# Altium PCB STEVAL-ESLBLECB.PcbDoc (part 1 of 2) (continued)
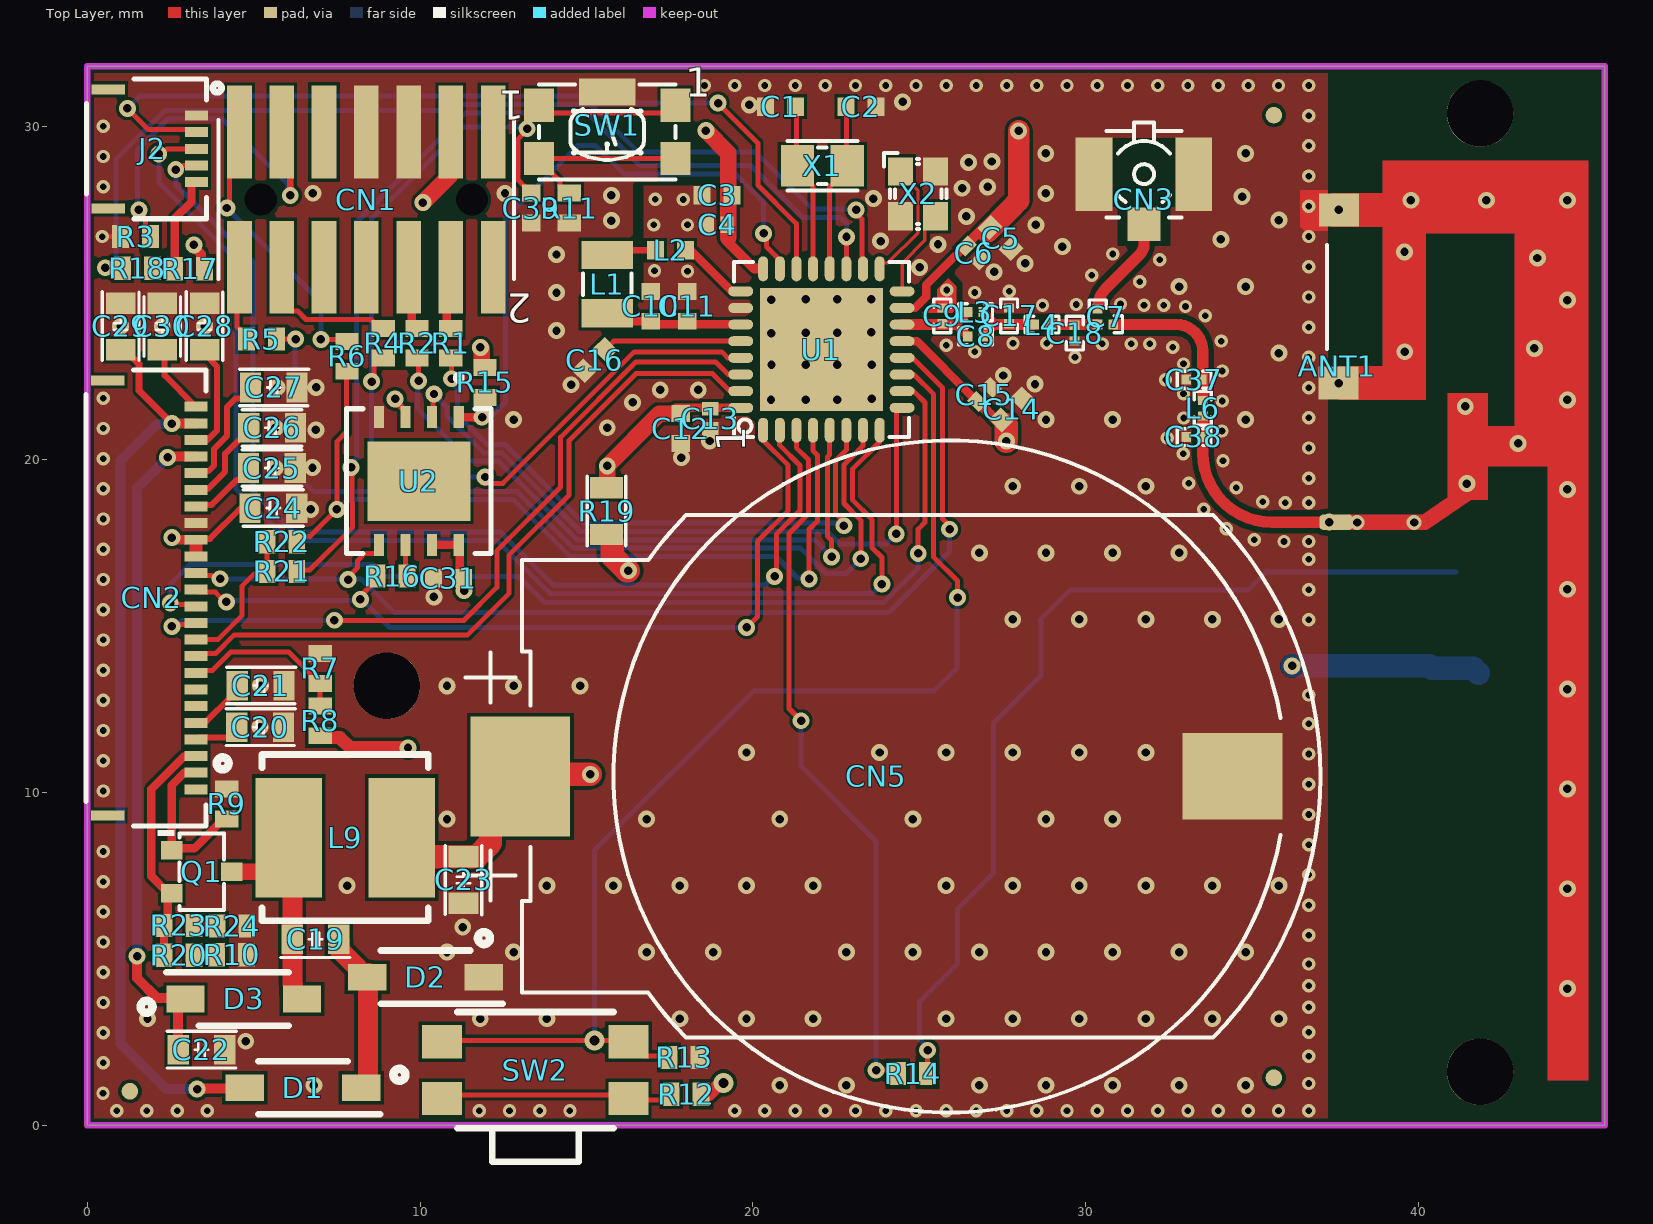
[diagram p0: Top Layer view]
## Part data
C1 C2: library part MCD-00015, "Capacitor, MLCC, 10pF, 50V, NPO, +/-5%, 0402, T=0.5mm", Manufacturer=YAGEO, Manufacturer Part Number=CC0402JRNPO9BN100, Package=0402, Component_Country_Of_Origin=China, ComponentLink1URL=http://tunmcdsvn.tun.st.com/Component_Documentation_Library/Trunk/Capacitor/YAGEO_NP0_Series, ID=2465, Internal_Part_Number=MCD-00015, Manufacturer_Part_Number=CC0402JRNPO9BN100, Order_Code_Digikey=311-1014-1-ND, Order_Code_Farnell=3019160RL, Order_Code_RS=3019160RL, Part_Preference=Recommended, Part_Type=Capacitor, ShowFields=YES, Status=Released
C3 C10: library part MCD-03431, "Capacitor, MLCC, 4.7uF, X5R, 10V, +/-20%, 0402, T=0.5mm", Manufacturer=MURATA, Manufacturer Part Number=GRM155R61A475MEAAD, Package=0402, Component_Country_Of_Origin="China, Japan, Philippines, Singapore", ComponentLink1URL=http://tunmcdsvn.tun.st.com/Component_Documentation_Library/Trunk/Capacitor/MURATA_GRM_Series/GRM155R61A475MEAAD, ID=5547, Internal_Part_Number=MCD-03431, Manufacturer_Part_Number=GRM155R61A475MEAAD, Order_Code_Digikey=90-14306-2-ND, Order_Code_Farnell=2688503RL, Order_Code_RS=172-6870, Part_Preference=Recommended, Part_Type=Capacitor, ShowFields=YES, Status=Checked
C4: library part MCD-01535, "Capacitor, MLCC,100nF, 10V, X5R, +/-10%, 0201, T=0.3mm", Manufacturer=MURATA, Manufacturer Part Number=GRM033R61A104KE15, Package=0201, Component_Country_Of_Origin=Japan, ComponentLink1URL=http://tunmcdsvn.tun.st.com/Component_Documentation_Library/Trunk/Capacitor/MURATA_GRM_Series, ID=3635, Internal_Part_Number=MCD-01535, Manufacturer_Part_Number=GRM033R61A104KE15, Order_Code_Digikey=490-5881-1-ND, Order_Code_Farnell=2470450, Order_Code_RS=790-2742, Part_Preference=Recommended, Part_Type=Capacitor, ShowFields=YES, Status=Released
C5 C12 C14: library part MCD-03432, "Capacitor, MLCC, 1uF, X7R, 6.3V,+/- 10%, 0402, T=0.5mm", Manufacturer=MURATA, Manufacturer Part Number=GRM155R70J105KA12, Package=0402, Component_Country_Of_Origin="China, Japan, Philippines, Singapore", ComponentLink1URL=http://tunmcdsvn.tun.st.com/Component_Documentation_Library/Trunk/Capacitor/MURATA_GRM_Series/GRM155R70J105KA12, ID=5548, Internal_Part_Number=MCD-03432, Manufacturer_Part_Number=GRM155R70J105KA12, Order_Code_Digikey=NA, Order_Code_Farnell=NA, Order_Code_RS=113-8711, Part_Preference=Recommended, Part_Type=Capacitor, ShowFields=YES, Status=Checked
C6 C13 C15: library part MCD-02284, "Cap Ceramic 6.8pF 25V C0G 0.25pF SMD 0201 125°C Paper T/R", Manufacturer=Murata, Manufacturer Part Number=GJM0335C1E6R8CB01D, Supplier Part Number 1=490-3076-1-ND, Category="Ceramic Capacitors", ComponentLink1URL=http://tunmcdsvn.tun.st.com/Component_Documentation_Library/Trunk/Capacitor/MURATA_GRM_Series, ComponentLink2Description=https://datasheet.ciiva.com/11611/product-11611316.pdf?src-supplier=Avnet, ComponentLink2URL=https://datasheet.ciiva.com/11611/product-11611316.pdf?src-supplier=Avnet, ComponentLink3Description=https://datasheet.ciiva.com/133/partnumbering-e-01-133417.pdf?src-supplier=Digi-Key, ComponentLink3URL=https://datasheet.ciiva.com/133/partnumbering-e-01-133417.pdf?src-supplier=Digi-Key, ComponentLink4Description=https://datasheet.ciiva.com/133/partnumbering-e-01-133418.pdf?src-supplier=Digi-Key, ComponentLink4URL=https://datasheet.ciiva.com/133/partnumbering-e-01-133418.pdf?src-supplier=Digi-Key, ComponentLink5Description=https://datasheet.ciiva.com/133/partnumbering-e-01-133419.pdf?src-supplier=Digi-Key, ComponentLink5URL=https://datasheet.ciiva.com/133/partnumbering-e-01-133419.pdf?src-supplier=Digi-Key, ComponentLink6Description=https://datasheet.ciiva.com/11611/product-11611254.pdf?src-supplier=Avnet, ComponentLink6URL=https://datasheet.ciiva.com/11611/product-11611254.pdf?src-supplier=Avnet, Pricing 1="1=0.1, 10=0.033, 50=0.0188, 100=0.0146, 500=0.01096, 1000=0.00861, 2500=0.00783, 5000=0.0072 (USD)", RoHS=Yes, Stock 1=9238, Supplier 1=Digi-Key
C7: library part C_0201_DEV, "Cap Ceramic 20pF 25V C0G 2% Pad SMD 0201 125C T/R", Manufacturer=Murata, Manufacturer Part Number=GJM0335C1E200GB01D, Supplier Part Number 1=490-GJM0335C1E200GB01DCT-ND, Category="Ceramic Capacitors", ComponentLink1Description=http://www.mouser.com/ds/2/281/c02e-2905.pdf?src-supplier=Mouser, ComponentLink1URL=http://www.mouser.com/ds/2/281/c02e-2905.pdf?src-supplier=Mouser, ComponentLink6Description=https://datasheet.ciiva.com/28386/pyu-rc0402-51-rohs-l-6-28386633.pdf?src-supplier=Avnet+Europe, ComponentLink6URL=https://datasheet.ciiva.com/28386/pyu-rc0402-51-rohs-l-6-28386633.pdf?src-supplier=Avnet+Europe, ComponentLink9Description=https://datasheet.ciiva.com/15189/getdatasheetpartid-326379-15189533.pdf?src-supplier=Verical, ComponentLink9URL=https://datasheet.ciiva.com/15189/getdatasheetpartid-326379-15189533.pdf?src-supplier=Verical, ComponentLink10Description=https://datasheet.ciiva.com/7983/1018594-7983535.pdf?src-supplier=Element14, ComponentLink10URL=https://datasheet.ciiva.com/7983/1018594-7983535.pdf?src-supplier=Element14, ComponentLink11Description=https://datasheet.ciiva.com/2560/pyu-r-int-thick-7-2560866.pdf?src-supplier=Digi-Key, ComponentLink11URL=https://datasheet.ciiva.com/2560/pyu-r-int-thick-7-2560866.pdf?src-supplier=Digi-Key, ComponentLink12Description=https://datasheet.ciiva.com/2560/pyu-r-int-thick-7-2560867.pdf?src-supplier=Digi-Key, ComponentLink12URL=https://datasheet.ciiva.com/2560/pyu-r-int-thick-7-2560867.pdf?src-supplier=Digi-Key, ComponentLink13Description=https://datasheet.ciiva.com/2560/pyu-r-int-thick-7-2560865.pdf?src-supplier=Digi-Key, ComponentLink13URL=https://datasheet.ciiva.com/2560/pyu-r-int-thick-7-2560865.pdf?src-supplier=Digi-Key, ComponentLink14Description=https://datasheet.ciiva.com/8887/pyu-rc0201-51-rohs-l-8-8887865.pdf?src-supplier=Avnet, ComponentLink14URL=https://datasheet.ciiva.com/8887/pyu-rc0201-51-rohs-l-8-8887865.pdf?src-supplier=Avnet, Pricing 1="1=0.1, 10=0.063, 50=0.0378, 100=0.0297, 500=0.02192, 1000=0.01815, 2500=0.0169, 5000=0.01546 (USD)", RoHS=Yes, Stock 1=21920, Supplier 1=Digi-Key
C8: library part MCD-02284_2, "0201 0.3 pF 25 V ±0.05 pF Tolerance C0G SMT Multilayer Ceramic Capacitor", Manufacturer=Murata, Manufacturer Part Number=GJM0335C1ER30WB01D, Supplier Part Number 1=490-8073-1-ND, Category="Ceramic Capacitors", ComponentLink1URL=http://tunmcdsvn.tun.st.com/Component_Documentation_Library/Trunk/Capacitor/MURATA_GRM_Series, ComponentLink2Description=https://datasheet.ciiva.com/11617/product-11617172.pdf?src-supplier=Avnet, ComponentLink2URL=https://datasheet.ciiva.com/11617/product-11617172.pdf?src-supplier=Avnet, ComponentLink3Description=https://datasheet.ciiva.com/29541/partnumbering-e-01-29541903.pdf?src-supplier=Digi-Key, ComponentLink3URL=https://datasheet.ciiva.com/29541/partnumbering-e-01-29541903.pdf?src-supplier=Digi-Key, ComponentLink4Description=https://datasheet.ciiva.com/29541/partnumbering-e-01-29541902.pdf?src-supplier=Digi-Key, ComponentLink4URL=https://datasheet.ciiva.com/29541/partnumbering-e-01-29541902.pdf?src-supplier=Digi-Key, ComponentLink5Description=https://datasheet.ciiva.com/11617/product-11617570.pdf?src-supplier=Avnet, ComponentLink5URL=https://datasheet.ciiva.com/11617/product-11617570.pdf?src-supplier=Avnet, ComponentLink6Description=https://datasheet.ciiva.com/170/gjm0335c1er30wb01-170840.pdf?src-supplier=Digi-Key, ComponentLink6URL=https://datasheet.ciiva.com/170/gjm0335c1er30wb01-170840.pdf?src-supplier=Digi-Key, ComponentLink7Description=https://datasheet.ciiva.com/29541/partnumbering-e-01-29541493.pdf?src-supplier=Digi-Key, ComponentLink7URL=https://datasheet.ciiva.com/29541/partnumbering-e-01-29541493.pdf?src-supplier=Digi-Key, ComponentLink8Description=https://datasheet.ciiva.com/29541/partnumbering-e-01-29541494.pdf?src-supplier=Digi-Key, ComponentLink8URL=https://datasheet.ciiva.com/29541/partnumbering-e-01-29541494.pdf?src-supplier=Digi-Key, ComponentLink9Description=https://datasheet.ciiva.com/29541/partnumbering-e-01-29541495.pdf?src-supplier=Digi-Key, ComponentLink9URL=https://datasheet.ciiva.com/29541/partnumbering-e-01-29541495.pdf?src-supplier=Digi-Key, ComponentLink10Description=https://datasheet.ciiva.com/16467/product-16467435.pdf?src-supplier=Future+Electronics, ComponentLink10URL=https://datasheet.ciiva.com/16467/product-16467435.pdf?src-supplier=Future+Electronics, Pricing 1="1=0.14, 10=0.094, 50=0.0562, 100=0.0442, 500=0.03266, 1000=0.02703, 2500=0.02516, 5000=0.02302 (USD)", RoHS=Yes, Stock 1=344905, Supplier 1=Digi-Key
C9 C18 C38: library part MCD-02284_1, "Multilayer Ceramic Capacitor, 0.8 pF, 25 V, ± 0.05pF, C0G (NP0), 0201 [0603 Metric]", Manufacturer=Murata, Manufacturer Part Number=GJM0335C1ER80WB01D, Temperature Coefficient=30ppm/°C, Category="Ceramic Capacitors", ComponentLink1URL=http://tunmcdsvn.tun.st.com/Component_Documentation_Library/Trunk/Capacitor/MURATA_GRM_Series, ComponentLink2Description=https://datasheet.ciiva.com/11616/product-11616837.pdf?src-supplier=Avnet, ComponentLink2URL=https://datasheet.ciiva.com/11616/product-11616837.pdf?src-supplier=Avnet, ComponentLink3Description=https://datasheet.ciiva.com/170/partnumbering-e-01-170845.pdf?src-supplier=Digi-Key, ComponentLink3URL=https://datasheet.ciiva.com/170/partnumbering-e-01-170845.pdf?src-supplier=Digi-Key, Material=4241ConductorMaterial, Pricing 1="1=0.072, 10=0.0302, 25=0.0296, 100=0.0178, 250=0.0176, 500=0.0175, 1000=0.0173, 3000=0.0172, 6000=0.0171, 15000=0.0169 (USD)", RoHS=Yes, Stock 1=23495, Supplier 1="Arrow Electronics", Supplier Part Number 1=GJM0335C1ER80WB01D
C11: library part MCD-03442, "Capacitor, MLCC, 100nF, +/-10%, X7R, 25V, 0402, T=0.5mm", Manufacturer=MURATA, Manufacturer Part Number=GRM155R71E104KE14D, Package=0402, Component_Country_Of_Origin="China, Japan, Philippines, Singapore", ComponentLink1URL=http://tunmcdsvn.tun.st.com/Component_Documentation_Library/Trunk/Capacitor/MURATA_GRM_Series/GRM155R71E104KE14, ID=5558, Internal_Part_Number=MCD-03442, Manufacturer_Part_Number=GRM155R71E104KE14D, Order_Code_Digikey=490-10698-2-ND, Order_Code_Farnell=NA, Order_Code_RS=NA, Part_Preference=Recommended, Part_Type=Capacitor, ShowFields=YES, Status=Checked
C16: library part MCD-03483, "Capacitor, MLCC, 0.22uF, X5R, 6.3V, +/-10%, 0402, T=0.5mm", Manufacturer=YAGEO, Manufacturer Part Number=CC0402KRX5R5BB224, Package=0402, Component_Country_Of_Origin=China, ComponentLink1URL=http://tunmcdsvn.tun.st.com/Component_Documentation_Library/Trunk/Capacitor/YAGEO_X5R_Series, ID=5599, Internal_Part_Number=MCD-03483, Manufacturer_Part_Number=CC0402KRX5R5BB224, Order_Code_Digikey=311-1681-2-ND, Order_Code_Farnell=3369131, Order_Code_RS=3369131, Part_Preference=Recommended, Part_Type=Capacitor, ShowFields=YES, Status=Checked
C17 C37: library part MCD-02284_3, "Multilayer Ceramic Capacitor, 1.5 pF, 25 V, ± 0.1pF, C0G (NP0), 0201 [0603 Metric]", Case Code (Imperial)=0201, Case Code (Metric)=0603, Dielectric=C0G, Manufacturer=Murata, Manufacturer Part Number=GJM0335C1E1R5BB01D, Max Operating Temperature=125°C, Min Operating Temperature=-55°C, Package Quantity=15000, Supplier Part Number 1=490-11175-1-ND, Voltage Rating=25V, Case/Package=0201, Category="Ceramic Capacitors", ComponentLink1URL=http://tunmcdsvn.tun.st.com/Component_Documentation_Library/Trunk/Capacitor/MURATA_GRM_Series, ComponentLink2Description=https://datasheet.ciiva.com/11616/product-11616837.pdf?src-supplier=Avnet, ComponentLink2URL=https://datasheet.ciiva.com/11616/product-11616837.pdf?src-supplier=Avnet, ComponentLink3Description=https://datasheet.ciiva.com/170/partnumbering-e-01-170845.pdf?src-supplier=Digi-Key, ComponentLink3URL=https://datasheet.ciiva.com/170/partnumbering-e-01-170845.pdf?src-supplier=Digi-Key, ComponentLink4Description=https://datasheet.ciiva.com/11615/product-11615773.pdf?src-supplier=Avnet, ComponentLink4URL=https://datasheet.ciiva.com/11615/product-11615773.pdf?src-supplier=Avnet, ComponentLink5Description=https://datasheet.ciiva.com/18183/getdatasheetpartid-480423-18183785.pdf?src-supplier=Verical, ComponentLink5URL=https://datasheet.ciiva.com/18183/getdatasheetpartid-480423-18183785.pdf?src-supplier=Verical, Construction=Flat, Depth=0.3mm, Height=0.3mm, Lead Free="Lead Free", Length=0.6mm, Mounting Technology="Surface Mount", Packaging="Tape and Reel", Pricing 1="1=0.1, 10=0.069, 50=0.0376, 100=0.0308, 500=0.02198, 1000=0.01727, 2500=0.0157, 5000=0.01444 (USD)", Radiation Hardening=No, RoHS=Yes, RoHS Compliant=Yes, Series=GJM, Stock 1=1582621, Supplier 1=Digi-Key, Termination=SMD/SMT, Thickness=0.013inch, Voltage Rating (DC)=25V, Width=0.012inch
C19 C20 C21 C22 C23 C27 C28 C29: library part MCD-02196, "CAP CER 4.7UF 25V X6S 0603", Manufacturer=Murata, Manufacturer Part Number=GRM188C81E475KE11D, Supplier Part Number 1=490-7199-1-ND, Voltage=25V, Category="Ceramic Capacitors", ComponentLink1URL=http://tunmcdsvn.tun.st.com/Component_Documentation_Library/Trunk/Capacitor/TDK_C_Series, ComponentLink2Description=https://datasheet.ciiva.com/14906/partnumbering-e-01-14906423.pdf?src-supplier=Digi-Key, ComponentLink2URL=https://datasheet.ciiva.com/14906/partnumbering-e-01-14906423.pdf?src-supplier=Digi-Key, ComponentLink3Description=https://datasheet.ciiva.com/14906/partnumbering-e-01-14906424.pdf?src-supplier=Digi-Key, ComponentLink3URL=https://datasheet.ciiva.com/14906/partnumbering-e-01-14906424.pdf?src-supplier=Digi-Key, ComponentLink4Description=https://datasheet.ciiva.com/14906/partnumbering-e-01-14906425.pdf?src-supplier=Digi-Key, ComponentLink4URL=https://datasheet.ciiva.com/14906/partnumbering-e-01-14906425.pdf?src-supplier=Digi-Key, Pricing 1="1=0.27, 10=0.175, 50=0.1104, 100=0.0884, 500=0.06382, 1000=0.05645 (USD)", RoHS=Yes, Stock 1=947554, Supplier 1=Digi-Key
C24 C25 C26 C30: library part MCD-01703, "Multilayer Ceramic Capacitor, 1 uF, 50 V, ± 10%, X5R, 0603 [1608 Metric]", Case Code (Imperial)=0603, Case Code (Metric)=1608, Dielectric=X5R, Manufacturer=Murata, Manufacturer Part Number=GRT188R61H105KE13D, Max Operating Temperature=85°C, Min Operating Temperature=-55°C, Ratings=AEC-Q200, Supplier Part Number 1=490-12330-1-ND, Tolerance=10%, Voltage Rating=50V, Case/Package=0603, Category="Ceramic Capacitors", ComponentLink1URL=http://tunmcdsvn.tun.st.com/Component_Documentation_Library/Trunk/Capacitor/YAGEO_X5R_Series, ComponentLink2Description=http://www.farnell.com/datasheets/2165959.pdf?src-supplier=Farnell, ComponentLink2URL=http://www.farnell.com/datasheets/2165959.pdf?src-supplier=Farnell, ComponentLink3Description=http://search.murata.co.jp/Ceramy/image/img/A01X/G101/ENG/GRT188R61H105KE13-01.pdf?src-supplier=Digi-Key, ComponentLink3URL=http://search.murata.co.jp/Ceramy/image/img/A01X/G101/ENG/GRT188R61H105KE13-01.pdf?src-supplier=Digi-Key, ComponentLink4Description=http://www.farnell.com/datasheets/2165959.pdf?src-supplier=Newark, ComponentLink4URL=http://www.farnell.com/datasheets/2165959.pdf?src-supplier=Newark, ComponentLink5Description=https://datasheet.octopart.com/GRT188R61H105KE13D-Murata-datasheet-67697751.pdf?src-supplier=Newark, ComponentLink5URL=https://datasheet.octopart.com/GRT188R61H105KE13D-Murata-datasheet-67697751.pdf?src-supplier=Newark, ComponentLink6Description=https://search.murata.co.jp/Ceramy/image/img/A01X/G101/ENG/GRT188R61H105KE13-01.pdf?src-supplier=Digi-Key, ComponentLink6URL=https://search.murata.co.jp/Ceramy/image/img/A01X/G101/ENG/GRT188R61H105KE13-01.pdf?src-supplier=Digi-Key, ComponentLink7Description=https://datasheet.octopart.com/GRT188R61H105KE13D-Murata-datasheet-165579666.pdf?src-supplier=TME, ComponentLink7URL=https://datasheet.octopart.com/GRT188R61H105KE13D-Murata-datasheet-165579666.pdf?src-supplier=TME, Length=0.063inch, Mounting Technology="Surface Mount", Packaging="Cut Tape", Pricing 1="1=0.17, 10=0.117, 50=0.07, 100=0.0551, 500=0.04066, 1000=0.03366 (USD)", RoHS=Yes, RoHS Compliant=Yes, Series=GRT, Stock 1=422240, Supplier 1=Digi-Key, Thickness=0.035inch, Voltage Rating (DC)=50V, Width=0.031inch
C31: library part MCD-02774, "Multilayer Ceramic Capacitors MLCC - SMD/SMT 0402 0.10uF 25volt X5R +/-10%", Case Code (Imperial)=0402, Case Code (Metric)=1005, Dielectric=X5R, Manufacturer=Murata, Manufacturer Part Number=GRM155R61E104KA87D, Max Operating Temperature=85°C, Min Operating Temperature=-55°C, Package Quantity=10000, Supplier Part Number 1=490-5920-1-ND, Tolerance=10%, Voltage Rating (DC)=25V, Case/Package=0402, Category="Ceramic Capacitors", ComponentLink1URL=http://tunmcdsvn.tun.st.com/Component_Documentation_Library/Trunk/Capacitor/TDK_CGA_Series, ComponentLink2Description=https://datasheet.ciiva.com/11618/product-11618757.pdf?src-supplier=Avnet, ComponentLink2URL=https://datasheet.ciiva.com/11618/product-11618757.pdf?src-supplier=Avnet, ComponentLink3Description=https://datasheet.ciiva.com/29199/454084-da-01-en-vs-kondensator-0402-29199796.pdf?src-supplier=Conrad, ComponentLink3URL=https://datasheet.ciiva.com/29199/454084-da-01-en-vs-kondensator-0402-29199796.pdf?src-supplier=Conrad, ComponentLink4Description=https://datasheet.ciiva.com/6270/partnumbering-e-01-6270936.pdf?src-supplier=Digi-Key, ComponentLink4URL=https://datasheet.ciiva.com/6270/partnumbering-e-01-6270936.pdf?src-supplier=Digi-Key, ComponentLink5Description=https://datasheet.ciiva.com/6270/partnumbering-e-01-6270934.pdf?src-supplier=Digi-Key, ComponentLink5URL=https://datasheet.ciiva.com/6270/partnumbering-e-01-6270934.pdf?src-supplier=Digi-Key, ComponentLink6Description=https://datasheet.ciiva.com/6270/partnumbering-e-01-6270938.pdf?src-supplier=Digi-Key, ComponentLink6URL=https://datasheet.ciiva.com/6270/partnumbering-e-01-6270938.pdf?src-supplier=Digi-Key, ComponentLink7Description=https://datasheet.ciiva.com/16467/product-16467303.pdf?src-supplier=Future+Electronics, ComponentLink7URL=https://datasheet.ciiva.com/16467/product-16467303.pdf?src-supplier=Future+Electronics, Height=0.5mm, Lead Free=5697LeadFree, Length=1mm, Packaging="Cut Tape", Pricing 1="1=0.1, 10=0.047, 50=0.0272, 100=0.0211, 500=0.0159, 1000=0.0125, 2500=0.01136, 5000=0.01045 (USD)", RoHS=Yes, RoHS Compliant=Yes, Series=GRM, Stock 1=4700358, Supplier 1=Digi-Key, Termination=Standard, Weight=0.000388oz, Width=0.5mm
C39: library part MCD-00011, "Capacitor, MLCC, 10nF, 16V, X7R, +/-10%, 0402, T=0.5mm", Manufacturer=YAGEO, Manufacturer Part Number=CC0402KRX7R7BB103, Package=0402, Component_Country_Of_Origin=China, ComponentLink1URL=http://tunmcdsvn.tun.st.com/Component_Documentation_Library/Trunk/Capacitor/YAGEO_X7R_Series, ID=2469, Internal_Part_Number=MCD-00011, Manufacturer_Part_Number=CC0402KRX7R7BB103, Order_Code_Digikey=311-1042-1-ND, Order_Code_Farnell=3019275, Order_Code_RS=3019275, Part_Preference=Recommended, Part_Type=Capacitor, ShowFields=YES, Status=Released
CN1: library part MCD-00639, "Header, 7x2, 1.27mm, VR, SMD, T=5.97mm", Manufacturer=SAMTEC, Manufacturer Part Number=FTSH-107-01-L-DV-K, Component_Country_Of_Origin="China, Costa Rica, Malaysia, United States, Vietnam", ComponentLink1URL=http://tunmcdsvn.tun.st.com/Component_Documentation_Library/Trunk/Connector/SAMTEC_FTSH_Series/, ID=3107, Internal_Part_Number=MCD-00639, Manufacturer_Part_Number=FTSH-107-01-L-DV-K, Order_Code_Digikey=SAM9449-ND, Order_Code_Farnell=2856443, Order_Code_RS=179-8765, Part_Preference=Recommended, Part_Type=Connector, ShowFields=YES, Status=Released
CN2: "Conn, Ffc/fpc, R/a, 24Pos, 1Row, 0.5Mm Rohs Compliant: Yes", Manufacturer=Molex, Manufacturer Part Number=503480-2400, Supplier Part Number 1=WM27000CT-ND, Category="FFC / FPC", Pricing 1="1=2.12, 10=1.806, 100=1.492, 1000=1.17791 (USD)", RoHS=No, Stock 1=23010, Supplier 1=Digi-Key
CN3: library part MCD-01583, "Connector_RF, 0Hz to 6GHz, 50R, VR, SMD, T= 1.25mm", Manufacturer=HIROSE, BMS_Part_Number=9187005, Component_Country_Of_Origin="Japan, Malaysia", ComponentLink1URL=http://tunmcdsvn.tun.st.com/Component_Documentation_Library/Trunk/Connector/HIROSE_U.FL_Series/, ID=3683, Internal_Part_Number=MCD-01583, Manufacturer Part Number=U.FL-R-SMT-1, Manufacturer_Part_Number=U.FL-R-SMT-1, Order_Code_Digikey=N/A, Order_Code_Farnell=1688077, Order_Code_RS=557-981, Part_Preference=Recommended, Part_Type=Connector, ShowFields=YES, Status=Released
CN5: library part MCD-02936, "CR2032 compact battery holder", Manufacturer=HARWIN, Manufacturer Part Number=S8421-45R, Component_Country_Of_Origin=Taiwan, ComponentLink1URL=http://tunmcdsvn.tun.st.com/Component_Documentation_Library/Trunk/Connector/HARWIN_S8421-45R, ID=5052, Internal_Part_Number=MCD-02936, Manufacturer_Part_Number=S8421-45R, Order_Code_Digikey=952-1737-2-ND, Order_Code_Farnell=3517387, Order_Code_RS=N/A, Part_Preference=Recommended, Part_Type=Connector, ShowFields=YES, Status=Checked
D1 D2 D3: "Diode, Schottky Barrier, Vr 30V, If 0.5A, Pkg SOD-123, Vf 0.43V, Tj +125degc, Cs 5.5A", Manufacturer="ON Semiconductor / Fairchild", Manufacturer Part Number=MBR0530T1G, Category="Schottky Diodes", ComponentLink1Description=https://datasheet.ciiva.com/5763/85890-5763210.pdf?src-supplier=Farnell, ComponentLink1URL=https://datasheet.ciiva.com/5763/85890-5763210.pdf?src-supplier=Farnell, ComponentLink2Description=https://datasheet.ciiva.com/14168/sz600926-e-14168053.pdf?src-supplier=Distrelec, ComponentLink2URL=https://datasheet.ciiva.com/14168/sz600926-e-14168053.pdf?src-supplier=Distrelec, ComponentLink3Description=https://datasheet.ciiva.com/22659/1708258-22659024.pdf?src-supplier=Element14, ComponentLink3URL=https://datasheet.ciiva.com/22659/1708258-22659024.pdf?src-supplier=Element14, ComponentLink4Description=https://datasheet.ciiva.com/8299/mbr0530t1-d-8299686.pdf?src-supplier=Avnet, ComponentLink4URL=https://datasheet.ciiva.com/8299/mbr0530t1-d-8299686.pdf?src-supplier=Avnet, ComponentLink5Description=https://datasheet.ciiva.com/8300/mbr0530t1-d-8300038.pdf?src-supplier=Avnet, ComponentLink5URL=https://datasheet.ciiva.com/8300/mbr0530t1-d-8300038.pdf?src-supplier=Avnet, ComponentLink6Description=https://datasheet.ciiva.com/915/mbr0530t1-d-915467.pdf?src-supplier=Digi-Key, ComponentLink6URL=https://datasheet.ciiva.com/915/mbr0530t1-d-915467.pdf?src-supplier=Digi-Key, ComponentLink7Description=https://datasheet.ciiva.com/915/mbr0530t1-d-915468.pdf?src-supplier=Digi-Key, ComponentLink7URL=https://datasheet.ciiva.com/915/mbr0530t1-d-915468.pdf?src-supplier=Digi-Key, ComponentLink8Description=https://datasheet.ciiva.com/915/mbr0530t1-d-915469.pdf?src-supplier=Digi-Key, ComponentLink8URL=https://datasheet.ciiva.com/915/mbr0530t1-d-915469.pdf?src-supplier=Digi-Key, ComponentLink9Description=https://datasheet.ciiva.com/14560/70099496-14560951.pdf?src-supplier=Allied+Electronics, ComponentLink9URL=https://datasheet.ciiva.com/14560/70099496-14560951.pdf?src-supplier=Allied+Electronics, ComponentLink10Description=https://datasheet.ciiva.com/7962/85890-7962700.pdf?src-supplier=Element14, ComponentLink10URL=https://datasheet.ciiva.com/7962/85890-7962700.pdf?src-supplier=Element14, ComponentLink11Description=https://datasheet.ciiva.com/7962/85890-7962701.pdf?src-supplier=Element14, ComponentLink11URL=https://datasheet.ciiva.com/7962/85890-7962701.pdf?src-supplier=Element14, ComponentLink12Description=https://datasheet.ciiva.com/7962/85890-7962702.pdf?src-supplier=Element14, ComponentLink12URL=https://datasheet.ciiva.com/7962/85890-7962702.pdf?src-supplier=Element14, Pricing 1="3000=0.0566, 9000=0.0503, 24000=0.0471, 45000=0.0409 (USD)", RoHS=Yes, Stock 1=24000, Supplier 1="Arrow Electronics", Supplier Part Number 1=MBR0530T1G
D5: library part 150141AS73100, "WL-SMTW Mono-color TOP LED Waterclear, size 3528, Amber, 2V, 120°", Case/Size Code=3528, Emitting Color=Amber, Forward Voltage=2V, Manufacturer="Wurth Elektronik", Operating Temperature Max=85°C, Operating Temperature Min=-40°C, Category="Signal LEDs", Chip Technology=AlInGaP, ComponentLink1Description="Website Link", ComponentLink1URL=https://www.we-online.com/redexpert/article/150141AS73100?ad, ComponentLink2Description="Datasheet Link", ComponentLink2URL=https://www.we-online.com/redexpert/spec/150141AS73100?ad, Dominant Wavelength=605nm, Height=1.9mm, Length=3.5mm, Luminous Intensity=330mcd, Manufacturer Part Number=150141AS73100, Match Code=WL-SMTW, Mount="Surface Mount", Packaging="Tape and Reel", Peak Wavelength=610nm, Viewing Angle=120°, Width=2.8mm
HW4: library part MCD-00625, "\"STMicroelectronics\" logo footprint for PCB"
J2: library part 5034800540_5_circuits, "No Description Available", Manufacturer=Molex, Mfr_Name="Molex Connector Corporation", Copyright="Copyright (C) 2023 Ultra Librarian. All rights reserved.", Manufacturer Part Number=5034800540, Manufacturer_Part_Number=5034800540, RefDes=RefDes, Type=DEV
L1: library part MCD-03438, "Inductor, MLCC, 10uH, +/-20%, 300mA, 845mR, 0805, T=1.45mm", Manufacturer=MURATA, Manufacturer Part Number=LQM21DN100M70L, Package=0805, Component_Country_Of_Origin=Japan, ComponentLink1URL=http://tunmcdsvn.tun.st.com/Component_Documentation_Library/Trunk/Inductor/MURATA_LQM21DN100M70L, ID=5554, Internal_Part_Number=MCD-03438, Manufacturer_Part_Number=LQM21DN100M70L, Order_Code_Digikey=490-LQM21DN100M70LTR-ND, Order_Code_Farnell=NA, Order_Code_RS=NA, Part_Preference=Recommended, Part_Type=Inductor, ShowFields=YES, Status=Checked
L2: library part MCD-03439, "Inductor, MLCC, 22nH, +/-2%, 350mA, 0.58R, 0402, T=1.45mm", Manufacturer=MURATA, Manufacturer Part Number=LQG15HN22NG02D, Package=0402, Component_Country_Of_Origin=Japan, ComponentLink1URL=http://tunmcdsvn.tun.st.com/Component_Documentation_Library/Trunk/Inductor/MURATA_LQG15HN22NG02D, ID=5555, Internal_Part_Number=MCD-03439, Manufacturer_Part_Number=LQG15HN22NG02D, Order_Code_Digikey=490-LQG15HN22NG02DTR-ND, Order_Code_Farnell=3354168, Order_Code_RS=3354168, Part_Preference=Recommended, Part_Type=Inductor, ShowFields=YES, Status=Checked
L3: library part MCD-03552, "Inductor RF Chip Thin Film 2.4nH 0.1nH 500MHz 14Q-Factor 500mA 200mOhm DCR 0201 Paper T/R", Manufacturer=Murata, Manufacturer Part Number=LQP03TN2N4B02D, Supplier Part Number 1=490-6724-1-ND, Category="Fixed Inductors", ComponentLink1URL=http://tunmcdsvn.tun.st.com/Component_Documentation_Library/Trunk/Inductor/MURATA_LQP03TG_Series/LQP03TG0N5B02D, ComponentLink2Description=https://datasheet.ciiva.com/29692/s0084e-29692446.pdf?src-supplier=Digi-Key, ComponentLink2URL=https://datasheet.ciiva.com/29692/s0084e-29692446.pdf?src-supplier=Digi-Key, ComponentLink3Description=https://datasheet.ciiva.com/16444/product-16444478.pdf?src-supplier=Future+Electronics, ComponentLink3URL=https://datasheet.ciiva.com/16444/product-16444478.pdf?src-supplier=Future+Electronics, ComponentLink4Description=https://datasheet.ciiva.com/14826/1750lqp03tn2n4b0223-14826711.pdf?src-supplier=Arrow+Electronics, ComponentLink4URL=https://datasheet.ciiva.com/14826/1750lqp03tn2n4b0223-14826711.pdf?src-supplier=Arrow+Electronics, Pricing 1="1=0.1, 10=0.041, 25=0.0364, 50=0.031, 100=0.0273, 250=0.025, 500=0.02272, 1000=0.01909, 2500=0.01636 (USD)", RoHS=Yes, Stock 1=40543, Supplier 1=Digi-Key
L4: library part MCD-03552_1, "Inductor RF Chip Thin Film 3.3nH 0.1nH 500MHz 14Q-Factor 450mA 250mOhm DCR 0201 Paper T/R", Manufacturer=Murata, Manufacturer Part Number=LQP03TN3N3B02D, Supplier Part Number 1=490-6728-1-ND, Category="Fixed Inductors", ComponentLink1URL=http://tunmcdsvn.tun.st.com/Component_Documentation_Library/Trunk/Inductor/MURATA_LQP03TG_Series/LQP03TG0N5B02D, ComponentLink2Description=https://datasheet.ciiva.com/29692/s0084e-29692446.pdf?src-supplier=Digi-Key, ComponentLink2URL=https://datasheet.ciiva.com/29692/s0084e-29692446.pdf?src-supplier=Digi-Key, ComponentLink3Description=https://datasheet.ciiva.com/16444/product-16444478.pdf?src-supplier=Future+Electronics, ComponentLink3URL=https://datasheet.ciiva.com/16444/product-16444478.pdf?src-supplier=Future+Electronics, ComponentLink4Description=https://datasheet.ciiva.com/14826/1750lqp03tn2n4b0223-14826711.pdf?src-supplier=Arrow+Electronics, ComponentLink4URL=https://datasheet.ciiva.com/14826/1750lqp03tn2n4b0223-14826711.pdf?src-supplier=Arrow+Electronics, ComponentLink5Description=https://datasheet.ciiva.com/4976/product-4976199.pdf?src-supplier=Mouser, ComponentLink5URL=https://datasheet.ciiva.com/4976/product-4976199.pdf?src-supplier=Mouser, Pricing 1="1=0.1, 10=0.041, 25=0.0364, 50=0.031, 100=0.0273, 250=0.025, 500=0.02272, 1000=0.01909, 2500=0.01636 (USD)", RoHS=Yes, Stock 1=987695, Supplier 1=Digi-Key
L6: library part MCD-03552_1, "0201 0 ohm", ComponentLink1URL=http://tunmcdsvn.tun.st.com/Component_Documentation_Library/Trunk/Inductor/MURATA_LQP03TG_Series/LQP03TG0N5B02D, ComponentLink2Description=https://datasheet.ciiva.com/29692/s0084e-29692446.pdf?src-supplier=Digi-Key, ComponentLink2URL=https://datasheet.ciiva.com/29692/s0084e-29692446.pdf?src-supplier=Digi-Key, ComponentLink3Description=https://datasheet.ciiva.com/16444/product-16444478.pdf?src-supplier=Future+Electronics, ComponentLink3URL=https://datasheet.ciiva.com/16444/product-16444478.pdf?src-supplier=Future+Electronics, ComponentLink4Description=https://datasheet.ciiva.com/14826/1750lqp03tn2n4b0223-14826711.pdf?src-supplier=Arrow+Electronics, ComponentLink4URL=https://datasheet.ciiva.com/14826/1750lqp03tn2n4b0223-14826711.pdf?src-supplier=Arrow+Electronics, ComponentLink5Description=https://datasheet.ciiva.com/4976/product-4976199.pdf?src-supplier=Mouser, ComponentLink5URL=https://datasheet.ciiva.com/4976/product-4976199.pdf?src-supplier=Mouser
L9: library part 74404042100, "WE-LQS SMT Power Inductor, size 4018, 10uH, 1.2A, 0.15Ohm", Case/Size Code=4018, DC Resistance=0.15Ohm, Inductance=10uH, Manufacturer="Wurth Elektronik", Operating Temperature Max=125°C, Operating Temperature Min=-40°C, Rated Current=1.2A, Saturation Current=1.7A, Self Resonant Frequency=28MHz, Category="Power Inductors", ComponentLink1Description="Website Link", ComponentLink1URL=https://www.we-online.com/redexpert/article/74404042100?ad, ComponentLink2Description="Datasheet Link", ComponentLink2URL=https://www.we-online.com/redexpert/spec/74404042100?ad, Height=1.8mm, Length=4mm, Manufacturer Part Number=74404042100, Match Code=WE-LQS, Mount="Surface Mount", Packaging="Tape and Reel", Width=4mm
Q1: library part MCD-02504, "Transistor, MOSFET, N-CH, 30V, 1.4A, SOT-323", Manufacturer=VISHAY, Manufacturer Part Number=SI1308EDL-T1-GE3, Package=SOT323-3, Component_Country_Of_Origin=China, ComponentLink1URL=http://tunmcdsvn.tun.st.com/Component_Documentation_Library/Trunk/Transistor/VISHAY_SI1308EDL-T1-GE3, ID=4610, Internal_Part_Number=MCD-02504, Manufacturer_Part_Number=SI1308EDL-T1-GE3, Order_Code_Digikey=SI1308EDL-T1-GE3TR-ND, Order_Code_Farnell=2283646, Order_Code_RS=165-7247, Part_Preference=Recommended, Part_Type=Transistor, ShowFields=YES, Status=Released
R1 R2 R3 R4 R5 R6 R17 R18 R20 R21 R22 R23: library part MCD-00052, "Resistor, 0R, 0402, +/-5%, 1/16W", Manufacturer=YAGEO, Manufacturer Part Number=RC0402JR-070RL, Package=0402, Component_Country_Of_Origin=China, ComponentLink1URL=http://tunmcdsvn.tun.st.com/Component_Documentation_Library/Trunk/Resistor/YAGEO_RC_L_Series, ID=2540, Internal_Part_Number=MCD-00052, Manufacturer_Part_Number=RC0402JR-070RL, Order_Code_Digikey=311-0.0JRCT-ND, Order_Code_Farnell=9232516RL, Order_Code_RS=9232516RL, Part_Preference=Recommended, Part_Type=Resistor, ShowFields=YES, Status=Released
R7 R10: library part MCD-02517, "Res Thick Film 0402 3 Ohm 1% 1/16W ±200ppm/°C Molded SMD Paper T/R", Manufacturer=Yageo, Manufacturer Part Number=RC0402FR-073RL, Supplier Part Number 1=3974298, Category="Chip SMD Resistors", ComponentLink1URL=http://tunmcdsvn.tun.st.com/Component_Documentation_Library/Trunk/Resistor/YAGEO_RL_Series, ComponentLink2Description=https://datasheet.ciiva.com/22655/443714-22655095.pdf?src-supplier=Farnell, ComponentLink2URL=https://datasheet.ciiva.com/22655/443714-22655095.pdf?src-supplier=Farnell, ComponentLink3Description=https://datasheet.ciiva.com/6069/443714-6069962.pdf?src-supplier=Farnell, ComponentLink3URL=https://datasheet.ciiva.com/6069/443714-6069962.pdf?src-supplier=Farnell, ComponentLink4Description=https://datasheet.ciiva.com/16746/pyu-rc0402-51-rohs-l-6-r-16746959.pdf?src-supplier=Future+Electronics, ComponentLink4URL=https://datasheet.ciiva.com/16746/pyu-rc0402-51-rohs-l-6-r-16746959.pdf?src-supplier=Future+Electronics, Pricing 1="10=0.014, 100=0.008, 500=0.007, 2500=0.005, 5000=0.004, 10000=0.002, 50000=0.0019, 100000=0.0018 (EUR)", RoHS=Yes, Stock 1=8190, Supplier 1=Farnell
R8 R9 R15: library part MCD-02551, "Resistor, 10K, 0402, +/-0.1%, 1/16W, +/-25ppm/°C", Manufacturer=YAGEO, Manufacturer Part Number=RT0402BRD0710KL, Package=0402, ComponentLink1URL=http://tunmcdsvn.tun.st.com/Component_Documentation_Library/Trunk/Resistor/YAGEO_RT_Series, ID=4657, Internal_Part_Number=MCD-02551, Manufacturer_Part_Number=RT0402BRD0710KL, Order_Code_Digikey=YAG1346TR-ND, Order_Code_Farnell=3496450RL, Order_Code_RS=1991270, Part_Preference=Recommended, Part_Type=Resistor, ShowFields=YES, Status=Checked
R11 R12: library part MCD-02655, "Resistor, 100R, 0402, +/-0.1%, 1/16W, +/-25ppm/°C", Manufacturer=YAGEO, Manufacturer Part Number=RT0402BRD07100RL, Package=0402, Component_Country_Of_Origin=China, ComponentLink1URL=http://tunmcdsvn.tun.st.com/Component_Documentation_Library/Trunk/Resistor/YAGEO_RT_Series, ID=4761, Internal_Part_Number=MCD-02655, Manufacturer_Part_Number=RT0402BRD07100RL, Order_Code_Digikey=YAG2301TR-ND, Order_Code_Farnell=3496479RL, Order_Code_RS=199-1268, Part_Preference=Recommended, Part_Type=Resistor, ShowFields=YES, Status=Checked
R13: library part MCD-00059, "Resistor, 100K, 0402, +/-1%, 1/16W", Manufacturer=YAGEO, Manufacturer Part Number=RC0402FR-07100KL, Package=0402, Component_Country_Of_Origin=China, ComponentLink1URL=http://tunmcdsvn.tun.st.com/Component_Documentation_Library/Trunk/Resistor/YAGEO_RC_L_Series, ID=2533, Internal_Part_Number=MCD-00059, Manufacturer_Part_Number=RC0402FR-07100KL, Order_Code_Digikey=311-100KLRTR-ND, Order_Code_Farnell=2421891, Order_Code_RS=2421891, Part_Preference=Recommended, Part_Type=Resistor, Partial_Alternate_Internal_Part_Number=MCD-03301, ShowFields=YES, Status=Released
R14: library part MCD-01819, "Resistor, 100R, 0402, +/-0,5%, 1/16W, +/-100ppm/°C", Manufacturer=YAGEO, Manufacturer Part Number=RC0402DR-07100RL, Package=0402, Component_Country_Of_Origin=China, ComponentLink1URL=http://tunmcdsvn.tun.st.com/Component_Documentation_Library/Trunk/Resistor/YAGEO_RC_L_Series, ID=3919, Internal_Part_Number=MCD-01819, Manufacturer_Part_Number=RC0402DR-07100RL, Order_Code_Digikey=RC0402DR-07100RL-ND, Order_Code_Farnell=N/A, Order_Code_RS=N/A, Part_Preference=Recommended, Part_Type=Resistor, ShowFields=YES, Status=Released
R16: library part MCD-00189, "Resistor, 22R, 0402, +/-1%, 1/16W", Manufacturer=YAGEO, Manufacturer Part Number=RC0402FR-0722RL, Package=0402, Component_Country_Of_Origin=China, ComponentLink1URL=http://tunmcdsvn.tun.st.com/Component_Documentation_Library/Trunk/Resistor/YAGEO_RC_L_Series, ID=2677, Internal_Part_Number=MCD-00189, Manufacturer_Part_Number=RC0402FR-0722RL, Order_Code_Digikey=311-22.0LRCT-ND, Order_Code_Farnell=9239030, Order_Code_RS=N/A, Part_Preference=Recommended, Part_Type=Resistor, ShowFields=YES, Status=Released
R19: library part MCD-00181, "Resistor, 0R, 0603, +/- 0.5mR, 1/4W", Manufacturer="ROHM SEMICONDUCTOR", Manufacturer Part Number=PMR03EZPJ000, Package=0603, Component_Country_Of_Origin="Philippines, Thailand", ComponentLink1URL=http://tunmcdsvn.tun.st.com/Component_Documentation_Library/Trunk/Resistor/ROHM_PMR_Series, ID=2691, Internal_Part_Number=MCD-00181, Manufacturer_Part_Number=PMR03EZPJ000, Order_Code_Digikey=PMR03EZPJ000-ND, Order_Code_Farnell=N/A, Order_Code_RS=N/A, Part_Preference=Recommended, Part_Type=Resistor, ShowFields=YES, Status=Released
R24: library part MCD-02517, "Resistor, 0R47, 0402, +/-1%, 1/16W", Manufacturer=YAGEO, Manufacturer Part Number=RL0402FR-070R47L, Package=0402, Component_Country_Of_Origin=China, ComponentLink1URL=http://tunmcdsvn.tun.st.com/Component_Documentation_Library/Trunk/Resistor/YAGEO_RL_Series, ID=4623, Internal_Part_Number=MCD-02517, Manufacturer_Part_Number=RL0402FR-070R47L, Order_Code_Digikey=311-.47PTR-ND, Order_Code_Farnell=N/A, Order_Code_RS=N/A, Part_Preference=Recommended, Part_Type=Resistor, ShowFields=YES, Status=Checked
SW1: library part MCD-00715, "Switch tactile, SPST-NO, 32V, 50mA, 2.8x4.6mm", Manufacturer=C&K, Manufacturer Part Number=Y78B23110FP, Package=2.8x4.6mm, Component_Country_Of_Origin=France, ComponentLink1URL=http://tunmcdsvn.tun.st.com/Component_Documentation_Library/Trunk/Misc/C&K_Y78B23110FP, ID=3028, Internal_Part_Number=MCD-00715, Manufacturer_Part_Number=Y78B23110FP, Order_Code_Digikey=401-1429-2-ND, Order_Code_Farnell=N/A, Order_Code_RS=N/A, Part_Preference=Recommended, Part_Type=Misc, ShowFields=YES, Status=Checked
SW2: "WS-TASU SMT Tact Switch 4.7x3.5mm side push, SPST-NO, 12VDC, 50mA, 160g", Manufacturer="Wurth Elektronik", Operating Temperature Max=85°C, Operating Temperature Min=-40°C, Rated Current=50mA, Rated Voltage=12VDC, Category="Tact Switches", Circuit=SPST-NO, ComponentLink1Description="Website Link", ComponentLink1URL=https://www.we-online.com/redexpert/article/434351045816?ad, ComponentLink2Description="Datasheet Link", ComponentLink2URL=https://www.we-online.com/redexpert/spec/434351045816?ad, Contact Material="Stainless Steel", Contact Plating=Silver, Height=1.65mm, Length=4.7mm, Manufacturer Part Number=434351045816, Match Code=WS-TASU, Mount="Surface Mount", Operation Force=160g, Packaging="Tape and Reel", Terminal Material="Copper Alloy", Terminal Plating=Silver, Washable=No, Width=3.5mm
U1: library part MCD-03444, "Bluetooth® Low Energy wireless SoC", Manufacturer=STMICROELECTRONICS, Package=QFN32, Component_Country_Of_Origin=Unknown, ComponentLink1URL=http://tunmcdsvn.tun.st.com/Component_Documentation_Library/Trunk/IC/STMICROELECTRONICS_BLUENRG-372AC, ID=5560, Internal_Part_Number=MCD-03444, Manufacturer Part Number=STM32WB09, Manufacturer_Part_Number=STM32WB09, Order_Code_Digikey=N/A, Order_Code_Farnell=N/A, Order_Code_RS=N/A, Part_Preference=Recommended, Part_Type=IC, ShowFields=YES, Status=Checked
U2: "No Description Available", Manufacturer=Winbond, Copyright="Copyright (C) 2023 Ultra Librarian. All rights reserved.", Digi-Key_Part_Number_1=256-W25Q64JVXGIQTR-ND, Manufacturer Part Number="W25Q64JVXGIQ TR", Manufacturer_Part_Number="W25Q64JVXGIQ TR", Mfr_Name=Winbond, RefDes=RefDes, Type=DEV
X1: library part MCD-01445, "Crystal, 32.768kHz, 7pF, +/-20ppm, 80K, 2.05x1.2mm", Manufacturer=NDK, Manufacturer Part Number=NX2012SA-32.768KHZ-EXS00A-MU00389, Package=2.05x1.2mm, BMS_Part_Number=9157043, Component_Country_Of_Origin=Unknown, ComponentLink1URL=http://tunmcdsvn.tun.st.com/Component_Documentation_Library/Trunk/Crytal_Oscillator/NDK_NX2012SA_Series, ID=3545, Internal_Part_Number=MCD-01445, Manufacturer_Part_Number=NX2012SA-32.768KHZ-EXS00A-MU00389, Order_Code_Digikey=644-1350, Order_Code_Farnell=N/A, Order_Code_RS=N/A, Part_Preference=Recommended, Part_Type=Crystal_Osc, ShowFields=YES, Status=Checked
X2: library part MCD-01446, "Crystal, 32MHz, 8pF, +/-10ppm, 60R, 2x1.6mm", Manufacturer=NDK, Manufacturer Part Number=NX2016SA-32MHZ-EXS00A-CS06654, Package=2x1.6mm, BMS_Part_Number=9157042, Component_Country_Of_Origin=Unknown, ComponentLink1URL=http://tunmcdsvn.tun.st.com/Component_Documentation_Library/Trunk/Crytal_Oscillator/NDK_NX2016SA_Series, ID=3546, Internal_Part_Number=MCD-01446, Manufacturer_Part_Number=NX2016SA-32MHZ-EXS00A-CS06654, Order_Code_Digikey=644-1373, Order_Code_Farnell=N/A, Order_Code_RS=N/A, Part_Preference=Recommended, Part_Type=Crystal_Osc, ShowFields=YES, Status=Checked

## Free pads (board coordinates)
  round 0.5 all layers, no hole mask+0: 1(1.278,1.018) 1(35.655,1.423) 1(35.655,30.35)
  round 2 hole 2: 13(9,13.2) 13(41.85,1.6) 13(41.85,30.4)

## Via types
v1: diameter 0.508, hole 0.254, Top Layer to Bottom Layer, tented both sides, 207 vias
v2: diameter 0.4, hole 0.2, Top Layer to Bottom Layer, tented both sides, 157 vias
v3: diameter 0.508, hole 0.254, Top Layer to Bottom Layer, 20 vias
v4: diameter 0.45, hole 0.254, Top Layer to Bottom Layer, 2 vias
v5: diameter 0.6, hole 0.3, Top Layer to Bottom Layer, tented both sides, 2 vias

## Nets (pads, with @x,y where several pads share a name; then routed paths per layer and width w, separated by ;. In a path a pad name is that pad's centre, name@x,y a point inside that pad or via, vN(x,y) a via of type N, cw(c..) or ccw(c..) an arc to the next point about the centre after c; other vN are vias at no path point)
3.3V: C23.2 C24.2 C31.2 CN1.3 CN2.15 CN2.16 CN5.1 D5.2 L9.1 R8.1 R12.2 R15.2 R19.1 U2.3 U2.7 U2.8 | length 103
  Top Layer w0.18: CN2.16@3.262,17.44 CN2.16@3.262,17.59 3.287,17.615 3.681,17.615 4.595,18.529 C24.2@5.02,18.529
  Top Layer w0.2: v1(9.248,21.821) 9.248,21.763 9.56,21.45 U2.3@9.56,21.273
  Top Layer w0.25: U2.7@10.36,17.437 U2.8@11.16,17.437 11.187,17.41 11.187,16.545 C31.2@11.299,16.434 11.309,16.424 11.309,16.178 11.318,16.169 C31.2@11.349,16.169
  Top Layer w0.3: v1(2.54,17.653) 2.621,17.653 2.684,17.59 CN2.16@3.262,17.59
  Top Layer w0.4: 3.262,17.24 CN2.16@3.262,17.44 ; R8.1@7,11.7 7.055,11.645 7.59,11.645 7.899,11.336 v1(9.634,11.336) ; R12.2@18.666,0.912 18.987,1.233 19.075,1.233 v5(19.113,1.271)
  Top Layer w0.5: v1(10.085,27.723) 10.902,28.54 10.902,29.825 CN1.3@10.922,29.845 ; v1(11.811,23.368) 11.811,23.366 11.847,23.329 11.847,22.775 11.852,22.77 R15.2@11.947,22.77
  Top Layer w0.7: L9.1@9.634,8.823 L9.1@9.447,8.636 10.017,8.066 C23.2@11.303,8.066 11.702,8.066 12.112,8.476 12.112,9.582 CN5.1@13.009,10.479 ; CN5.1@13.071,10.541 v1(15.113,10.541) ; R19.1@15.771,17.484 15.771,17.1 16.211,16.66 v1(16.256,16.66)
  Mid Layer 2 w0.7: v1@2.546,17.659 9.749,17.659 10.251,18.161 ; v1(9.634,11.336) 10.429,10.541 v1(15.113,10.541) 16.51,10.541 17.378,11.409 ; v1(10.085,27.723) 9.248,26.886 9.248,23.426 ; v1(11.318,16.059) 11.318,17.97 11.509,18.161 ; v1(11.811,23.368) 11.753,23.426 9.248,23.426 ; v1@16.256,16.637 16.68,16.213 16.68,13.85 ; v1(16.256,16.66) 14.348,16.66 12.847,18.161 11.509,18.161 ; v5(19.113,1.271) 19.673,1.271 20.75,2.348 20.75,8.038 17.378,11.409 ; v1(36.2,13.8) 36.15,13.85 16.68,13.85 ; 9.248,23.426 9.248,21.407 10.251,20.403 10.251,18.161 ; 10.251,18.161 11.509,18.161 ; 16.68,13.85 16.68,12.108 17.378,11.409
  Bottom Layer w0.7: v1(36.2,13.8) 40.325,13.8 40.4,13.725 41.65,13.725 D5.2@41.8,13.575
BS: CN2.8 R7.1 R8.2 | length 5.1
  Top Layer w0.15: CN2.8@3.262,13.59 3.337,13.665 3.759,13.665 4.318,14.224 6.045,14.224 6.719,13.55 6.719,13.455 6.899,13.275 R7.1@6.994,13.275 6.994,12.656 R8.2@7.05,12.6
BUSY: CN2.9 U1.31 | length 21.7
  Top Layer w0.15: CN2.9@3.262,14.09 3.337,14.165 3.851,14.165 4.418,14.732 11.43,14.732 12.665,15.967 12.665,17.122 14.478,18.934 14.478,20.574 16.49,22.586 18.779,22.586 19.309,22.056 U1.31@19.625,22.056
CS: CN2.12 U1.10 | length 30.9
  Top Layer w0.15: v1(2.489,15.684) 2.537,15.637 3.215,15.637 CN2.12@3.262,15.59 ; U1.10@24.485,22.056 24.828,22.056 25.172,21.712 25.172,18.744 25.172,18.113 24.967,17.907 v1(24.967,17.178)
  Bottom Layer w0.15: v1(2.489,15.684) 2.489,16.252 3.085,16.848 8.587,16.848 8.947,16.488 12.957,16.488 13.736,15.708 23.935,15.708 24.967,16.74 v1(24.967,17.178)
D/C: CN2.11 U1.30 | length 22.8
  Top Layer w0.15: v1(2.54,14.986) 2.592,15.038 3.21,15.038 CN2.11@3.262,15.09 ; v1(7.421,15.17) 11.317,15.17 12.305,16.158 12.305,17.258 14.224,19.177 14.224,20.674 16.487,22.936 18.873,22.936 19.254,22.556 U1.30@19.625,22.556
  Bottom Layer w0.15: v1(2.54,14.986) 2.637,14.986 2.821,15.17 v1(7.421,15.17)
GDR: CN2.2 Q1.1 R9.2 | length 5
  Top Layer w0.25: CN2.2@3.262,10.59 2.912,10.59 2.536,10.214 2.536,8.164 2.691,8.319 3.213,8.319 4.096,9.202 R9.2@4.191,9.202